# KiCad board panel.opm-inline.kicad_pcb (continued)
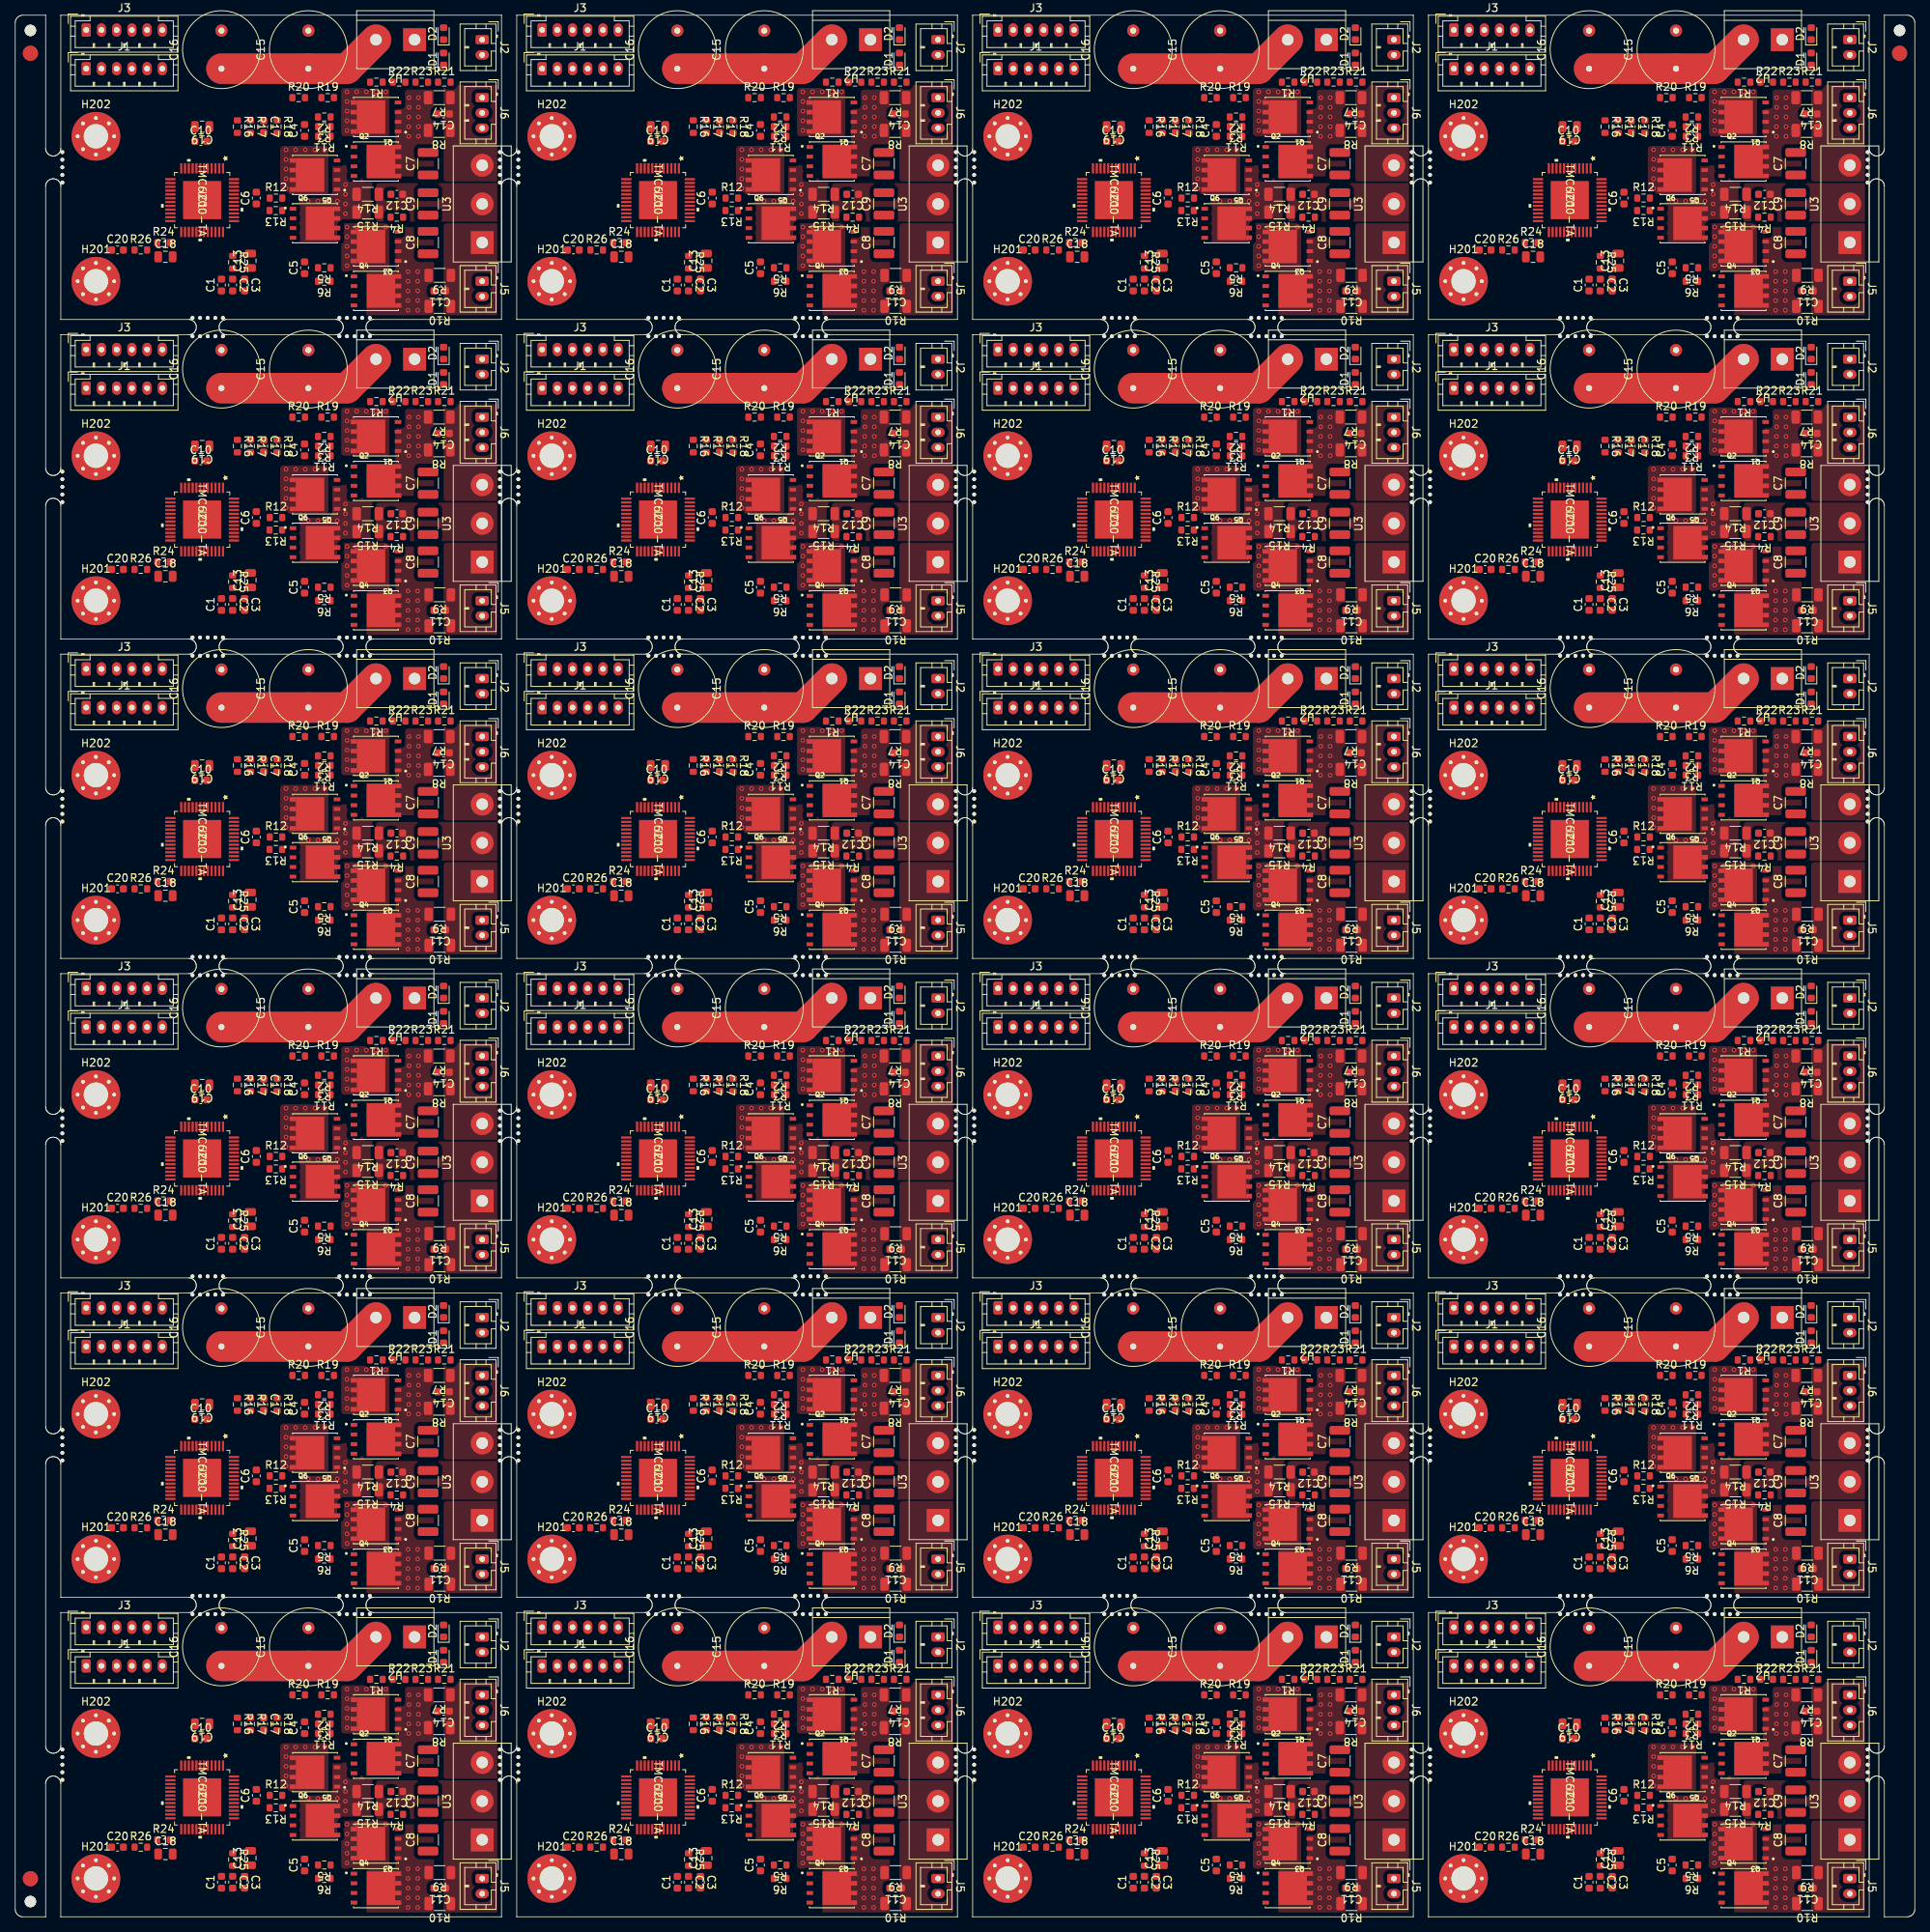
[diagram p0: board, top side]
## Copper pours and planes (outline as drawn; the poured copper is in the pictures) (continued)
Board_9-Net-(C6-Pad1) on Top: 108.66,136.09 97.23,136.09 97.23,146.25 108.66,146.25
Board_9-Net-(C6-Pad1) on Bottom: 108.66,136.09 97.23,136.09 97.23,146.25 108.66,146.25
Board_9-Net-(R2-Pad1) on Bottom: 115.01,144.98 106.12,144.98 106.12,148.79 109.93,148.79 109.93,153.87 111.2,153.87 111.2,156.41 115.01,156.41
Board_9-Net-(R12-Pad1) on Bottom: 104.08,143.71 105.35,143.71 105.35,138.63 104.08,138.63 104.08,136.09 98.5,136.09 98.5,141.17 101.54,141.17 101.54,146.25 104.08,146.25
Board_10-/+VM on Top: 169.11,150.06 162.76,150.06 162.76,156.41 169.11,156.41
Board_10-/+VM on Top: 161.09,142.44 154.74,142.44 154.74,148.79 161.09,148.79
Board_10-/+VM on Top: 169.11,132.28 162.76,132.28 162.76,138.63 169.11,138.63
Board_10-/+VM on Bottom: 183.18,126.33 126.03,126.33 126.03,165.7 183.18,165.7
Board_10-/+VM on Bottom: 169.11,150.06 162.76,150.06 162.76,156.41 169.11,156.41
Board_10-/+VM on Bottom: 161.09,142.44 154.74,142.44 154.74,148.79 161.09,148.79
Board_10-/+VM on Bottom: 169.11,132.28 162.76,132.28 162.76,138.63 169.11,138.63
Board_10-/U on Top: 183.85,144.11 176.23,144.11 176.23,156.81 183.85,156.81
Board_10-/U on Bottom: 183.85,144.11 176.23,144.11 176.23,156.81 183.85,156.81
Board_10-/V on Top: 183.85,138.83 167.34,138.83 167.34,143.91 183.85,143.91
Board_10-/V on Bottom: 183.85,138.83 167.34,138.83 167.34,143.91 183.85,143.91
Board_10-/W on Top: 183.85,125.93 176.23,125.93 176.23,138.63 183.85,138.63
Board_10-/W on Bottom: 183.85,125.93 176.23,125.93 176.23,138.63 183.85,138.63
Board_10-Net-(C4-Pad1) on Top: 174.96,144.78 166.07,144.78 166.07,148.59 169.88,148.59 169.88,153.67 171.15,153.67 171.15,156.21 174.96,156.21
Board_10-Net-(C4-Pad1) on Bottom: 174.96,144.78 166.07,144.78 166.07,148.59 169.88,148.59 169.88,153.67 171.15,153.67 171.15,156.21 174.96,156.21
Board_10-Net-(C5-Pad2) on Top: 174.99,125.93 166.1,125.93 166.1,132.28 169.91,132.28 169.88,138.13 174.96,138.13
Board_10-Net-(C5-Pad2) on Bottom: 174.99,125.93 166.1,125.93 166.1,131.01 169.91,131.01 169.88,138.13 174.96,138.13
Board_10-Net-(C6-Pad1) on Top: 168.61,136.09 157.18,136.09 157.18,146.25 168.61,146.25
Board_10-Net-(C6-Pad1) on Bottom: 168.61,136.09 157.18,136.09 157.18,146.25 168.61,146.25
Board_10-Net-(R2-Pad1) on Bottom: 174.96,144.98 166.07,144.98 166.07,148.79 169.88,148.79 169.88,153.87 171.15,153.87 171.15,156.41 174.96,156.41
Board_10-Net-(R12-Pad1) on Bottom: 164.03,143.71 165.3,143.71 165.3,138.63 164.03,138.63 164.03,136.09 158.45,136.09 158.45,141.17 161.49,141.17 161.49,146.25 164.03,146.25
Board_11-/+VM on Top: 229.06,150.06 222.71,150.06 222.71,156.41 229.06,156.41
Board_11-/+VM on Top: 221.04,142.44 214.69,142.44 214.69,148.79 221.04,148.79
Board_11-/+VM on Top: 229.06,132.28 222.71,132.28 222.71,138.63 229.06,138.63
Board_11-/+VM on Bottom: 243.13,126.33 185.98,126.33 185.98,165.7 243.13,165.7
Board_11-/+VM on Bottom: 229.06,150.06 222.71,150.06 222.71,156.41 229.06,156.41
Board_11-/+VM on Bottom: 221.04,142.44 214.69,142.44 214.69,148.79 221.04,148.79
Board_11-/+VM on Bottom: 229.06,132.28 222.71,132.28 222.71,138.63 229.06,138.63
Board_11-/U on Top: 243.8,144.11 236.18,144.11 236.18,156.81 243.8,156.81
Board_11-/U on Bottom: 243.8,144.11 236.18,144.11 236.18,156.81 243.8,156.81
Board_11-/V on Top: 243.8,138.83 227.29,138.83 227.29,143.91 243.8,143.91
Board_11-/V on Bottom: 243.8,138.83 227.29,138.83 227.29,143.91 243.8,143.91
Board_11-/W on Top: 243.8,125.93 236.18,125.93 236.18,138.63 243.8,138.63
Board_11-/W on Bottom: 243.8,125.93 236.18,125.93 236.18,138.63 243.8,138.63
Board_11-Net-(C4-Pad1) on Top: 234.91,144.78 226.02,144.78 226.02,148.59 229.83,148.59 229.83,153.67 231.1,153.67 231.1,156.21 234.91,156.21
Board_11-Net-(C4-Pad1) on Bottom: 234.91,144.78 226.02,144.78 226.02,148.59 229.83,148.59 229.83,153.67 231.1,153.67 231.1,156.21 234.91,156.21
Board_11-Net-(C5-Pad2) on Top: 234.94,125.93 226.05,125.93 226.05,132.28 229.86,132.28 229.83,138.13 234.91,138.13
Board_11-Net-(C5-Pad2) on Bottom: 234.94,125.93 226.05,125.93 226.05,131.01 229.86,131.01 229.83,138.13 234.91,138.13
Board_11-Net-(C6-Pad1) on Top: 228.56,136.09 217.13,136.09 217.13,146.25 228.56,146.25
Board_11-Net-(C6-Pad1) on Bottom: 228.56,136.09 217.13,136.09 217.13,146.25 228.56,146.25
Board_11-Net-(R2-Pad1) on Bottom: 234.91,144.98 226.02,144.98 226.02,148.79 229.83,148.79 229.83,153.87 231.1,153.87 231.1,156.41 234.91,156.41
Board_11-Net-(R12-Pad1) on Bottom: 223.98,143.71 225.25,143.71 225.25,138.63 223.98,138.63 223.98,136.09 218.4,136.09 218.4,141.17 221.44,141.17 221.44,146.25 223.98,146.25
Board_12-/+VM on Top: 49.21,108.07 42.86,108.07 42.86,114.42 49.21,114.42
Board_12-/+VM on Top: 41.19,100.45 34.84,100.45 34.84,106.8 41.19,106.8
Board_12-/+VM on Top: 49.21,90.29 42.86,90.29 42.86,96.64 49.21,96.64
Board_12-/+VM on Bottom: 63.28,84.34 6.13,84.34 6.13,123.71 63.28,123.71
Board_12-/+VM on Bottom: 49.21,108.07 42.86,108.07 42.86,114.42 49.21,114.42
Board_12-/+VM on Bottom: 41.19,100.45 34.84,100.45 34.84,106.8 41.19,106.8
Board_12-/+VM on Bottom: 49.21,90.29 42.86,90.29 42.86,96.64 49.21,96.64
Board_12-/U on Top: 63.95,102.12 56.33,102.12 56.33,114.82 63.95,114.82
Board_12-/U on Bottom: 63.95,102.12 56.33,102.12 56.33,114.82 63.95,114.82
Board_12-/V on Top: 63.95,96.84 47.44,96.84 47.44,101.92 63.95,101.92
Board_12-/V on Bottom: 63.95,96.84 47.44,96.84 47.44,101.92 63.95,101.92
Board_12-/W on Top: 63.95,83.94 56.33,83.94 56.33,96.64 63.95,96.64
Board_12-/W on Bottom: 63.95,83.94 56.33,83.94 56.33,96.64 63.95,96.64
Board_12-Net-(C4-Pad1) on Top: 55.06,102.79 46.17,102.79 46.17,106.6 49.98,106.6 49.98,111.68 51.25,111.68 51.25,114.22 55.06,114.22
Board_12-Net-(C4-Pad1) on Bottom: 55.06,102.79 46.17,102.79 46.17,106.6 49.98,106.6 49.98,111.68 51.25,111.68 51.25,114.22 55.06,114.22
Board_12-Net-(C5-Pad2) on Top: 55.09,83.94 46.2,83.94 46.2,90.29 50.01,90.29 49.98,96.14 55.06,96.14
Board_12-Net-(C5-Pad2) on Bottom: 55.09,83.94 46.2,83.94 46.2,89.02 50.01,89.02 49.98,96.14 55.06,96.14
Board_12-Net-(C6-Pad1) on Top: 48.71,94.1 37.28,94.1 37.28,104.26 48.71,104.26
Board_12-Net-(C6-Pad1) on Bottom: 48.71,94.1 37.28,94.1 37.28,104.26 48.71,104.26
Board_12-Net-(R2-Pad1) on Bottom: 55.06,102.99 46.17,102.99 46.17,106.8 49.98,106.8 49.98,111.88 51.25,111.88 51.25,114.42 55.06,114.42
Board_12-Net-(R12-Pad1) on Bottom: 44.13,101.72 45.4,101.72 45.4,96.64 44.13,96.64 44.13,94.1 38.55,94.1 38.55,99.18 41.59,99.18 41.59,104.26 44.13,104.26
Board_13-/+VM on Top: 109.16,108.07 102.81,108.07 102.81,114.42 109.16,114.42
Board_13-/+VM on Top: 101.14,100.45 94.79,100.45 94.79,106.8 101.14,106.8
Board_13-/+VM on Top: 109.16,90.29 102.81,90.29 102.81,96.64 109.16,96.64
Board_13-/+VM on Bottom: 123.23,84.34 66.08,84.34 66.08,123.71 123.23,123.71
Board_13-/+VM on Bottom: 109.16,108.07 102.81,108.07 102.81,114.42 109.16,114.42
Board_13-/+VM on Bottom: 101.14,100.45 94.79,100.45 94.79,106.8 101.14,106.8
Board_13-/+VM on Bottom: 109.16,90.29 102.81,90.29 102.81,96.64 109.16,96.64
Board_13-/U on Top: 123.9,102.12 116.28,102.12 116.28,114.82 123.9,114.82
Board_13-/U on Bottom: 123.9,102.12 116.28,102.12 116.28,114.82 123.9,114.82
Board_13-/V on Top: 123.9,96.84 107.39,96.84 107.39,101.92 123.9,101.92
Board_13-/V on Bottom: 123.9,96.84 107.39,96.84 107.39,101.92 123.9,101.92
Board_13-/W on Top: 123.9,83.94 116.28,83.94 116.28,96.64 123.9,96.64
Board_13-/W on Bottom: 123.9,83.94 116.28,83.94 116.28,96.64 123.9,96.64
Board_13-Net-(C4-Pad1) on Top: 115.01,102.79 106.12,102.79 106.12,106.6 109.93,106.6 109.93,111.68 111.2,111.68 111.2,114.22 115.01,114.22
Board_13-Net-(C4-Pad1) on Bottom: 115.01,102.79 106.12,102.79 106.12,106.6 109.93,106.6 109.93,111.68 111.2,111.68 111.2,114.22 115.01,114.22
Board_13-Net-(C5-Pad2) on Top: 115.04,83.94 106.15,83.94 106.15,90.29 109.96,90.29 109.93,96.14 115.01,96.14
Board_13-Net-(C5-Pad2) on Bottom: 115.04,83.94 106.15,83.94 106.15,89.02 109.96,89.02 109.93,96.14 115.01,96.14
Board_13-Net-(C6-Pad1) on Top: 108.66,94.1 97.23,94.1 97.23,104.26 108.66,104.26
Board_13-Net-(C6-Pad1) on Bottom: 108.66,94.1 97.23,94.1 97.23,104.26 108.66,104.26
Board_13-Net-(R2-Pad1) on Bottom: 115.01,102.99 106.12,102.99 106.12,106.8 109.93,106.8 109.93,111.88 111.2,111.88 111.2,114.42 115.01,114.42
Board_13-Net-(R12-Pad1) on Bottom: 104.08,101.72 105.35,101.72 105.35,96.64 104.08,96.64 104.08,94.1 98.5,94.1 98.5,99.18 101.54,99.18 101.54,104.26 104.08,104.26
Board_14-/+VM on Top: 169.11,108.07 162.76,108.07 162.76,114.42 169.11,114.42
Board_14-/+VM on Top: 161.09,100.45 154.74,100.45 154.74,106.8 161.09,106.8
Board_14-/+VM on Top: 169.11,90.29 162.76,90.29 162.76,96.64 169.11,96.64
Board_14-/+VM on Bottom: 183.18,84.34 126.03,84.34 126.03,123.71 183.18,123.71
Board_14-/+VM on Bottom: 169.11,108.07 162.76,108.07 162.76,114.42 169.11,114.42
Board_14-/+VM on Bottom: 161.09,100.45 154.74,100.45 154.74,106.8 161.09,106.8
Board_14-/+VM on Bottom: 169.11,90.29 162.76,90.29 162.76,96.64 169.11,96.64
Board_14-/U on Top: 183.85,102.12 176.23,102.12 176.23,114.82 183.85,114.82
Board_14-/U on Bottom: 183.85,102.12 176.23,102.12 176.23,114.82 183.85,114.82
Board_14-/V on Top: 183.85,96.84 167.34,96.84 167.34,101.92 183.85,101.92
Board_14-/V on Bottom: 183.85,96.84 167.34,96.84 167.34,101.92 183.85,101.92
Board_14-/W on Top: 183.85,83.94 176.23,83.94 176.23,96.64 183.85,96.64
Board_14-/W on Bottom: 183.85,83.94 176.23,83.94 176.23,96.64 183.85,96.64
Board_14-Net-(C4-Pad1) on Top: 174.96,102.79 166.07,102.79 166.07,106.6 169.88,106.6 169.88,111.68 171.15,111.68 171.15,114.22 174.96,114.22
Board_14-Net-(C4-Pad1) on Bottom: 174.96,102.79 166.07,102.79 166.07,106.6 169.88,106.6 169.88,111.68 171.15,111.68 171.15,114.22 174.96,114.22
Board_14-Net-(C5-Pad2) on Top: 174.99,83.94 166.1,83.94 166.1,90.29 169.91,90.29 169.88,96.14 174.96,96.14
Board_14-Net-(C5-Pad2) on Bottom: 174.99,83.94 166.1,83.94 166.1,89.02 169.91,89.02 169.88,96.14 174.96,96.14
Board_14-Net-(C6-Pad1) on Top: 168.61,94.1 157.18,94.1 157.18,104.26 168.61,104.26
Board_14-Net-(C6-Pad1) on Bottom: 168.61,94.1 157.18,94.1 157.18,104.26 168.61,104.26
Board_14-Net-(R2-Pad1) on Bottom: 174.96,102.99 166.07,102.99 166.07,106.8 169.88,106.8 169.88,111.88 171.15,111.88 171.15,114.42 174.96,114.42
Board_14-Net-(R12-Pad1) on Bottom: 164.03,101.72 165.3,101.72 165.3,96.64 164.03,96.64 164.03,94.1 158.45,94.1 158.45,99.18 161.49,99.18 161.49,104.26 164.03,104.26
Board_15-/+VM on Top: 229.06,108.07 222.71,108.07 222.71,114.42 229.06,114.42
Board_15-/+VM on Top: 221.04,100.45 214.69,100.45 214.69,106.8 221.04,106.8
Board_15-/+VM on Top: 229.06,90.29 222.71,90.29 222.71,96.64 229.06,96.64
Board_15-/+VM on Bottom: 243.13,84.34 185.98,84.34 185.98,123.71 243.13,123.71
Board_15-/+VM on Bottom: 229.06,108.07 222.71,108.07 222.71,114.42 229.06,114.42
Board_15-/+VM on Bottom: 221.04,100.45 214.69,100.45 214.69,106.8 221.04,106.8
Board_15-/+VM on Bottom: 229.06,90.29 222.71,90.29 222.71,96.64 229.06,96.64
Board_15-/U on Top: 243.8,102.12 236.18,102.12 236.18,114.82 243.8,114.82
Board_15-/U on Bottom: 243.8,102.12 236.18,102.12 236.18,114.82 243.8,114.82
Board_15-/V on Top: 243.8,96.84 227.29,96.84 227.29,101.92 243.8,101.92
Board_15-/V on Bottom: 243.8,96.84 227.29,96.84 227.29,101.92 243.8,101.92
Board_15-/W on Top: 243.8,83.94 236.18,83.94 236.18,96.64 243.8,96.64
Board_15-/W on Bottom: 243.8,83.94 236.18,83.94 236.18,96.64 243.8,96.64
Board_15-Net-(C4-Pad1) on Top: 234.91,102.79 226.02,102.79 226.02,106.6 229.83,106.6 229.83,111.68 231.1,111.68 231.1,114.22 234.91,114.22
Board_15-Net-(C4-Pad1) on Bottom: 234.91,102.79 226.02,102.79 226.02,106.6 229.83,106.6 229.83,111.68 231.1,111.68 231.1,114.22 234.91,114.22
Board_15-Net-(C5-Pad2) on Top: 234.94,83.94 226.05,83.94 226.05,90.29 229.86,90.29 229.83,96.14 234.91,96.14
Board_15-Net-(C5-Pad2) on Bottom: 234.94,83.94 226.05,83.94 226.05,89.02 229.86,89.02 229.83,96.14 234.91,96.14
Board_15-Net-(C6-Pad1) on Top: 228.56,94.1 217.13,94.1 217.13,104.26 228.56,104.26
Board_15-Net-(C6-Pad1) on Bottom: 228.56,94.1 217.13,94.1 217.13,104.26 228.56,104.26
Board_15-Net-(R2-Pad1) on Bottom: 234.91,102.99 226.02,102.99 226.02,106.8 229.83,106.8 229.83,111.88 231.1,111.88 231.1,114.42 234.91,114.42
Board_15-Net-(R12-Pad1) on Bottom: 223.98,101.72 225.25,101.72 225.25,96.64 223.98,96.64 223.98,94.1 218.4,94.1 218.4,99.18 221.44,99.18 221.44,104.26 223.98,104.26
Board_16-/+VM on Top: 49.21,66.08 42.86,66.08 42.86,72.43 49.21,72.43
Board_16-/+VM on Top: 41.19,58.46 34.84,58.46 34.84,64.81 41.19,64.81
Board_16-/+VM on Top: 49.21,48.3 42.86,48.3 42.86,54.65 49.21,54.65
Board_16-/+VM on Bottom: 63.28,42.35 6.13,42.35 6.13,81.72 63.28,81.72
Board_16-/+VM on Bottom: 49.21,66.08 42.86,66.08 42.86,72.43 49.21,72.43
Board_16-/+VM on Bottom: 41.19,58.46 34.84,58.46 34.84,64.81 41.19,64.81
Board_16-/+VM on Bottom: 49.21,48.3 42.86,48.3 42.86,54.65 49.21,54.65
Board_16-/U on Top: 63.95,60.13 56.33,60.13 56.33,72.83 63.95,72.83
Board_16-/U on Bottom: 63.95,60.13 56.33,60.13 56.33,72.83 63.95,72.83
Board_16-/V on Top: 63.95,54.85 47.44,54.85 47.44,59.93 63.95,59.93
Board_16-/V on Bottom: 63.95,54.85 47.44,54.85 47.44,59.93 63.95,59.93
Board_16-/W on Top: 63.95,41.95 56.33,41.95 56.33,54.65 63.95,54.65
Board_16-/W on Bottom: 63.95,41.95 56.33,41.95 56.33,54.65 63.95,54.65
Board_16-Net-(C4-Pad1) on Top: 55.06,60.8 46.17,60.8 46.17,64.61 49.98,64.61 49.98,69.69 51.25,69.69 51.25,72.23 55.06,72.23
Board_16-Net-(C4-Pad1) on Bottom: 55.06,60.8 46.17,60.8 46.17,64.61 49.98,64.61 49.98,69.69 51.25,69.69 51.25,72.23 55.06,72.23
Board_16-Net-(C5-Pad2) on Top: 55.09,41.95 46.2,41.95 46.2,48.3 50.01,48.3 49.98,54.15 55.06,54.15
Board_16-Net-(C5-Pad2) on Bottom: 55.09,41.95 46.2,41.95 46.2,47.03 50.01,47.03 49.98,54.15 55.06,54.15
Board_16-Net-(C6-Pad1) on Top: 48.71,52.11 37.28,52.11 37.28,62.27 48.71,62.27
Board_16-Net-(C6-Pad1) on Bottom: 48.71,52.11 37.28,52.11 37.28,62.27 48.71,62.27
Board_16-Net-(R2-Pad1) on Bottom: 55.06,61 46.17,61 46.17,64.81 49.98,64.81 49.98,69.89 51.25,69.89 51.25,72.43 55.06,72.43
Board_16-Net-(R12-Pad1) on Bottom: 44.13,59.73 45.4,59.73 45.4,54.65 44.13,54.65 44.13,52.11 38.55,52.11 38.55,57.19 41.59,57.19 41.59,62.27 44.13,62.27
Board_17-/+VM on Top: 109.16,66.08 102.81,66.08 102.81,72.43 109.16,72.43
Board_17-/+VM on Top: 101.14,58.46 94.79,58.46 94.79,64.81 101.14,64.81
Board_17-/+VM on Top: 109.16,48.3 102.81,48.3 102.81,54.65 109.16,54.65
Board_17-/+VM on Bottom: 123.23,42.35 66.08,42.35 66.08,81.72 123.23,81.72
Board_17-/+VM on Bottom: 109.16,66.08 102.81,66.08 102.81,72.43 109.16,72.43
Board_17-/+VM on Bottom: 101.14,58.46 94.79,58.46 94.79,64.81 101.14,64.81
Board_17-/+VM on Bottom: 109.16,48.3 102.81,48.3 102.81,54.65 109.16,54.65
Board_17-/U on Top: 123.9,60.13 116.28,60.13 116.28,72.83 123.9,72.83
Board_17-/U on Bottom: 123.9,60.13 116.28,60.13 116.28,72.83 123.9,72.83
Board_17-/V on Top: 123.9,54.85 107.39,54.85 107.39,59.93 123.9,59.93
Board_17-/V on Bottom: 123.9,54.85 107.39,54.85 107.39,59.93 123.9,59.93
Board_17-/W on Top: 123.9,41.95 116.28,41.95 116.28,54.65 123.9,54.65
Board_17-/W on Bottom: 123.9,41.95 116.28,41.95 116.28,54.65 123.9,54.65
Board_17-Net-(C4-Pad1) on Top: 115.01,60.8 106.12,60.8 106.12,64.61 109.93,64.61 109.93,69.69 111.2,69.69 111.2,72.23 115.01,72.23
Board_17-Net-(C4-Pad1) on Bottom: 115.01,60.8 106.12,60.8 106.12,64.61 109.93,64.61 109.93,69.69 111.2,69.69 111.2,72.23 115.01,72.23
Board_17-Net-(C5-Pad2) on Top: 115.04,41.95 106.15,41.95 106.15,48.3 109.96,48.3 109.93,54.15 115.01,54.15
Board_17-Net-(C5-Pad2) on Bottom: 115.04,41.95 106.15,41.95 106.15,47.03 109.96,47.03 109.93,54.15 115.01,54.15
Board_17-Net-(C6-Pad1) on Top: 108.66,52.11 97.23,52.11 97.23,62.27 108.66,62.27
Board_17-Net-(C6-Pad1) on Bottom: 108.66,52.11 97.23,52.11 97.23,62.27 108.66,62.27
Board_17-Net-(R2-Pad1) on Bottom: 115.01,61 106.12,61 106.12,64.81 109.93,64.81 109.93,69.89 111.2,69.89 111.2,72.43 115.01,72.43
Board_17-Net-(R12-Pad1) on Bottom: 104.08,59.73 105.35,59.73 105.35,54.65 104.08,54.65 104.08,52.11 98.5,52.11 98.5,57.19 101.54,57.19 101.54,62.27 104.08,62.27
Board_18-/+VM on Top: 169.11,66.08 162.76,66.08 162.76,72.43 169.11,72.43
Board_18-/+VM on Top: 161.09,58.46 154.74,58.46 154.74,64.81 161.09,64.81
Board_18-/+VM on Top: 169.11,48.3 162.76,48.3 162.76,54.65 169.11,54.65
Board_18-/+VM on Bottom: 183.18,42.35 126.03,42.35 126.03,81.72 183.18,81.72
Board_18-/+VM on Bottom: 169.11,66.08 162.76,66.08 162.76,72.43 169.11,72.43
Board_18-/+VM on Bottom: 161.09,58.46 154.74,58.46 154.74,64.81 161.09,64.81
Board_18-/+VM on Bottom: 169.11,48.3 162.76,48.3 162.76,54.65 169.11,54.65
Board_18-/U on Top: 183.85,60.13 176.23,60.13 176.23,72.83 183.85,72.83
Board_18-/U on Bottom: 183.85,60.13 176.23,60.13 176.23,72.83 183.85,72.83
Board_18-/V on Top: 183.85,54.85 167.34,54.85 167.34,59.93 183.85,59.93
Board_18-/V on Bottom: 183.85,54.85 167.34,54.85 167.34,59.93 183.85,59.93
Board_18-/W on Top: 183.85,41.95 176.23,41.95 176.23,54.65 183.85,54.65
Board_18-/W on Bottom: 183.85,41.95 176.23,41.95 176.23,54.65 183.85,54.65
Board_18-Net-(C4-Pad1) on Top: 174.96,60.8 166.07,60.8 166.07,64.61 169.88,64.61 169.88,69.69 171.15,69.69 171.15,72.23 174.96,72.23
Board_18-Net-(C4-Pad1) on Bottom: 174.96,60.8 166.07,60.8 166.07,64.61 169.88,64.61 169.88,69.69 171.15,69.69 171.15,72.23 174.96,72.23
Board_18-Net-(C5-Pad2) on Top: 174.99,41.95 166.1,41.95 166.1,48.3 169.91,48.3 169.88,54.15 174.96,54.15
Board_18-Net-(C5-Pad2) on Bottom: 174.99,41.95 166.1,41.95 166.1,47.03 169.91,47.03 169.88,54.15 174.96,54.15
Board_18-Net-(C6-Pad1) on Top: 168.61,52.11 157.18,52.11 157.18,62.27 168.61,62.27
Board_18-Net-(C6-Pad1) on Bottom: 168.61,52.11 157.18,52.11 157.18,62.27 168.61,62.27
Board_18-Net-(R2-Pad1) on Bottom: 174.96,61 166.07,61 166.07,64.81 169.88,64.81 169.88,69.89 171.15,69.89 171.15,72.43 174.96,72.43
Board_18-Net-(R12-Pad1) on Bottom: 164.03,59.73 165.3,59.73 165.3,54.65 164.03,54.65 164.03,52.11 158.45,52.11 158.45,57.19 161.49,57.19 161.49,62.27 164.03,62.27
Board_19-/+VM on Top: 229.06,66.08 222.71,66.08 222.71,72.43 229.06,72.43
Board_19-/+VM on Top: 221.04,58.46 214.69,58.46 214.69,64.81 221.04,64.81
Board_19-/+VM on Top: 229.06,48.3 222.71,48.3 222.71,54.65 229.06,54.65
Board_19-/+VM on Bottom: 243.13,42.35 185.98,42.35 185.98,81.72 243.13,81.72
Board_19-/+VM on Bottom: 229.06,66.08 222.71,66.08 222.71,72.43 229.06,72.43
Board_19-/+VM on Bottom: 221.04,58.46 214.69,58.46 214.69,64.81 221.04,64.81
Board_19-/+VM on Bottom: 229.06,48.3 222.71,48.3 222.71,54.65 229.06,54.65
Board_19-/U on Top: 243.8,60.13 236.18,60.13 236.18,72.83 243.8,72.83
Board_19-/U on Bottom: 243.8,60.13 236.18,60.13 236.18,72.83 243.8,72.83
Board_19-/V on Top: 243.8,54.85 227.29,54.85 227.29,59.93 243.8,59.93
Board_19-/V on Bottom: 243.8,54.85 227.29,54.85 227.29,59.93 243.8,59.93
Board_19-/W on Top: 243.8,41.95 236.18,41.95 236.18,54.65 243.8,54.65
Board_19-/W on Bottom: 243.8,41.95 236.18,41.95 236.18,54.65 243.8,54.65
Board_19-Net-(C4-Pad1) on Top: 234.91,60.8 226.02,60.8 226.02,64.61 229.83,64.61 229.83,69.69 231.1,69.69 231.1,72.23 234.91,72.23
Board_19-Net-(C4-Pad1) on Bottom: 234.91,60.8 226.02,60.8 226.02,64.61 229.83,64.61 229.83,69.69 231.1,69.69 231.1,72.23 234.91,72.23
Board_19-Net-(C5-Pad2) on Top: 234.94,41.95 226.05,41.95 226.05,48.3 229.86,48.3 229.83,54.15 234.91,54.15
Board_19-Net-(C5-Pad2) on Bottom: 234.94,41.95 226.05,41.95 226.05,47.03 229.86,47.03 229.83,54.15 234.91,54.15
Board_19-Net-(C6-Pad1) on Top: 228.56,52.11 217.13,52.11 217.13,62.27 228.56,62.27
Board_19-Net-(C6-Pad1) on Bottom: 228.56,52.11 217.13,52.11 217.13,62.27 228.56,62.27
Board_19-Net-(R2-Pad1) on Bottom: 234.91,61 226.02,61 226.02,64.81 229.83,64.81 229.83,69.89 231.1,69.89 231.1,72.43 234.91,72.43
Board_19-Net-(R12-Pad1) on Bottom: 223.98,59.73 225.25,59.73 225.25,54.65 223.98,54.65 223.98,52.11 218.4,52.11 218.4,57.19 221.44,57.19 221.44,62.27 223.98,62.27
Board_20-/+VM on Top: 49.21,24.09 42.86,24.09 42.86,30.44 49.21,30.44
Board_20-/+VM on Top: 41.19,16.47 34.84,16.47 34.84,22.82 41.19,22.82
Board_20-/+VM on Top: 49.21,6.31 42.86,6.31 42.86,12.66 49.21,12.66
Board_20-/+VM on Bottom: 63.28,0.36 6.13,0.36 6.13,39.73 63.28,39.73
Board_20-/+VM on Bottom: 49.21,24.09 42.86,24.09 42.86,30.44 49.21,30.44
Board_20-/+VM on Bottom: 41.19,16.47 34.84,16.47 34.84,22.82 41.19,22.82
Board_20-/+VM on Bottom: 49.21,6.31 42.86,6.31 42.86,12.66 49.21,12.66
Board_20-/U on Top: 63.95,18.14 56.33,18.14 56.33,30.84 63.95,30.84
Board_20-/U on Bottom: 63.95,18.14 56.33,18.14 56.33,30.84 63.95,30.84
Board_20-/V on Top: 63.95,12.86 47.44,12.86 47.44,17.94 63.95,17.94
Board_20-/V on Bottom: 63.95,12.86 47.44,12.86 47.44,17.94 63.95,17.94
Board_20-/W on Top: 63.95,-0.04 56.33,-0.04 56.33,12.66 63.95,12.66
Board_20-/W on Bottom: 63.95,-0.04 56.33,-0.04 56.33,12.66 63.95,12.66
Board_20-Net-(C4-Pad1) on Top: 55.06,18.81 46.17,18.81 46.17,22.62 49.98,22.62 49.98,27.7 51.25,27.7 51.25,30.24 55.06,30.24
Board_20-Net-(C4-Pad1) on Bottom: 55.06,18.81 46.17,18.81 46.17,22.62 49.98,22.62 49.98,27.7 51.25,27.7 51.25,30.24 55.06,30.24
Board_20-Net-(C5-Pad2) on Top: 55.09,-0.04 46.2,-0.04 46.2,6.31 50.01,6.31 49.98,12.16 55.06,12.16
Board_20-Net-(C5-Pad2) on Bottom: 55.09,-0.04 46.2,-0.04 46.2,5.04 50.01,5.04 49.98,12.16 55.06,12.16
Board_20-Net-(C6-Pad1) on Top: 48.71,10.12 37.28,10.12 37.28,20.28 48.71,20.28
Board_20-Net-(C6-Pad1) on Bottom: 48.71,10.12 37.28,10.12 37.28,20.28 48.71,20.28
Board_20-Net-(R2-Pad1) on Bottom: 55.06,19.01 46.17,19.01 46.17,22.82 49.98,22.82 49.98,27.9 51.25,27.9 51.25,30.44 55.06,30.44
Board_20-Net-(R12-Pad1) on Bottom: 44.13,17.74 45.4,17.74 45.4,12.66 44.13,12.66 44.13,10.12 38.55,10.12 38.55,15.2 41.59,15.2 41.59,20.28 44.13,20.28
Board_21-/+VM on Top: 109.16,24.09 102.81,24.09 102.81,30.44 109.16,30.44
Board_21-/+VM on Top: 101.14,16.47 94.79,16.47 94.79,22.82 101.14,22.82
Board_21-/+VM on Top: 109.16,6.31 102.81,6.31 102.81,12.66 109.16,12.66
Board_21-/+VM on Bottom: 123.23,0.36 66.08,0.36 66.08,39.73 123.23,39.73
Board_21-/+VM on Bottom: 109.16,24.09 102.81,24.09 102.81,30.44 109.16,30.44
Board_21-/+VM on Bottom: 101.14,16.47 94.79,16.47 94.79,22.82 101.14,22.82
Board_21-/+VM on Bottom: 109.16,6.31 102.81,6.31 102.81,12.66 109.16,12.66
Board_21-/U on Top: 123.9,18.14 116.28,18.14 116.28,30.84 123.9,30.84
Board_21-/U on Bottom: 123.9,18.14 116.28,18.14 116.28,30.84 123.9,30.84
Board_21-/V on Top: 123.9,12.86 107.39,12.86 107.39,17.94 123.9,17.94
Board_21-/V on Bottom: 123.9,12.86 107.39,12.86 107.39,17.94 123.9,17.94
Board_21-/W on Top: 123.9,-0.04 116.28,-0.04 116.28,12.66 123.9,12.66
Board_21-/W on Bottom: 123.9,-0.04 116.28,-0.04 116.28,12.66 123.9,12.66
Board_21-Net-(C4-Pad1) on Top: 115.01,18.81 106.12,18.81 106.12,22.62 109.93,22.62 109.93,27.7 111.2,27.7 111.2,30.24 115.01,30.24
Board_21-Net-(C4-Pad1) on Bottom: 115.01,18.81 106.12,18.81 106.12,22.62 109.93,22.62 109.93,27.7 111.2,27.7 111.2,30.24 115.01,30.24
Board_21-Net-(C5-Pad2) on Top: 115.04,-0.04 106.15,-0.04 106.15,6.31 109.96,6.31 109.93,12.16 115.01,12.16
Board_21-Net-(C5-Pad2) on Bottom: 115.04,-0.04 106.15,-0.04 106.15,5.04 109.96,5.04 109.93,12.16 115.01,12.16
Board_21-Net-(C6-Pad1) on Top: 108.66,10.12 97.23,10.12 97.23,20.28 108.66,20.28
Board_21-Net-(C6-Pad1) on Bottom: 108.66,10.12 97.23,10.12 97.23,20.28 108.66,20.28
Board_21-Net-(R2-Pad1) on Bottom: 115.01,19.01 106.12,19.01 106.12,22.82 109.93,22.82 109.93,27.9 111.2,27.9 111.2,30.44 115.01,30.44
Board_21-Net-(R12-Pad1) on Bottom: 104.08,17.74 105.35,17.74 105.35,12.66 104.08,12.66 104.08,10.12 98.5,10.12 98.5,15.2 101.54,15.2 101.54,20.28 104.08,20.28
Board_22-/+VM on Top: 169.11,24.09 162.76,24.09 162.76,30.44 169.11,30.44
Board_22-/+VM on Top: 161.09,16.47 154.74,16.47 154.74,22.82 161.09,22.82
Board_22-/+VM on Top: 169.11,6.31 162.76,6.31 162.76,12.66 169.11,12.66
Board_22-/+VM on Bottom: 183.18,0.36 126.03,0.36 126.03,39.73 183.18,39.73
Board_22-/+VM on Bottom: 169.11,24.09 162.76,24.09 162.76,30.44 169.11,30.44
Board_22-/+VM on Bottom: 161.09,16.47 154.74,16.47 154.74,22.82 161.09,22.82
Board_22-/+VM on Bottom: 169.11,6.31 162.76,6.31 162.76,12.66 169.11,12.66
Board_22-/U on Top: 183.85,18.14 176.23,18.14 176.23,30.84 183.85,30.84
Board_22-/U on Bottom: 183.85,18.14 176.23,18.14 176.23,30.84 183.85,30.84
Board_22-/V on Top: 183.85,12.86 167.34,12.86 167.34,17.94 183.85,17.94
Board_22-/V on Bottom: 183.85,12.86 167.34,12.86 167.34,17.94 183.85,17.94
Board_22-/W on Top: 183.85,-0.04 176.23,-0.04 176.23,12.66 183.85,12.66
Board_22-/W on Bottom: 183.85,-0.04 176.23,-0.04 176.23,12.66 183.85,12.66
Board_22-Net-(C4-Pad1) on Top: 174.96,18.81 166.07,18.81 166.07,22.62 169.88,22.62 169.88,27.7 171.15,27.7 171.15,30.24 174.96,30.24
Board_22-Net-(C4-Pad1) on Bottom: 174.96,18.81 166.07,18.81 166.07,22.62 169.88,22.62 169.88,27.7 171.15,27.7 171.15,30.24 174.96,30.24
Board_22-Net-(C5-Pad2) on Top: 174.99,-0.04 166.1,-0.04 166.1,6.31 169.91,6.31 169.88,12.16 174.96,12.16
Board_22-Net-(C5-Pad2) on Bottom: 174.99,-0.04 166.1,-0.04 166.1,5.04 169.91,5.04 169.88,12.16 174.96,12.16
Board_22-Net-(C6-Pad1) on Top: 168.61,10.12 157.18,10.12 157.18,20.28 168.61,20.28
Board_22-Net-(C6-Pad1) on Bottom: 168.61,10.12 157.18,10.12 157.18,20.28 168.61,20.28
Board_22-Net-(R2-Pad1) on Bottom: 174.96,19.01 166.07,19.01 166.07,22.82 169.88,22.82 169.88,27.9 171.15,27.9 171.15,30.44 174.96,30.44
Board_22-Net-(R12-Pad1) on Bottom: 164.03,17.74 165.3,17.74 165.3,12.66 164.03,12.66 164.03,10.12 158.45,10.12 158.45,15.2 161.49,15.2 161.49,20.28 164.03,20.28
Board_23-/+VM on Top: 229.06,24.09 222.71,24.09 222.71,30.44 229.06,30.44
Board_23-/+VM on Top: 221.04,16.47 214.69,16.47 214.69,22.82 221.04,22.82
Board_23-/+VM on Top: 229.06,6.31 222.71,6.31 222.71,12.66 229.06,12.66
Board_23-/+VM on Bottom: 243.13,0.36 185.98,0.36 185.98,39.73 243.13,39.73
Board_23-/+VM on Bottom: 229.06,24.09 222.71,24.09 222.71,30.44 229.06,30.44
Board_23-/+VM on Bottom: 221.04,16.47 214.69,16.47 214.69,22.82 221.04,22.82
Board_23-/+VM on Bottom: 229.06,6.31 222.71,6.31 222.71,12.66 229.06,12.66
Board_23-/U on Top: 243.8,18.14 236.18,18.14 236.18,30.84 243.8,30.84
Board_23-/U on Bottom: 243.8,18.14 236.18,18.14 236.18,30.84 243.8,30.84
Board_23-/V on Top: 243.8,12.86 227.29,12.86 227.29,17.94 243.8,17.94
Board_23-/V on Bottom: 243.8,12.86 227.29,12.86 227.29,17.94 243.8,17.94
Board_23-/W on Top: 243.8,-0.04 236.18,-0.04 236.18,12.66 243.8,12.66
Board_23-/W on Bottom: 243.8,-0.04 236.18,-0.04 236.18,12.66 243.8,12.66
Board_23-Net-(C4-Pad1) on Top: 234.91,18.81 226.02,18.81 226.02,22.62 229.83,22.62 229.83,27.7 231.1,27.7 231.1,30.24 234.91,30.24
Board_23-Net-(C4-Pad1) on Bottom: 234.91,18.81 226.02,18.81 226.02,22.62 229.83,22.62 229.83,27.7 231.1,27.7 231.1,30.24 234.91,30.24
Board_23-Net-(C5-Pad2) on Top: 234.94,-0.04 226.05,-0.04 226.05,6.31 229.86,6.31 229.83,12.16 234.91,12.16
Board_23-Net-(C5-Pad2) on Bottom: 234.94,-0.04 226.05,-0.04 226.05,5.04 229.86,5.04 229.83,12.16 234.91,12.16
Board_23-Net-(C6-Pad1) on Top: 228.56,10.12 217.13,10.12 217.13,20.28 228.56,20.28
Board_23-Net-(C6-Pad1) on Bottom: 228.56,10.12 217.13,10.12 217.13,20.28 228.56,20.28
Board_23-Net-(R2-Pad1) on Bottom: 234.91,19.01 226.02,19.01 226.02,22.82 229.83,22.82 229.83,27.9 231.1,27.9 231.1,30.44 234.91,30.44
Board_23-Net-(R12-Pad1) on Bottom: 223.98,17.74 225.25,17.74 225.25,12.66 223.98,12.66 223.98,10.12 218.4,10.12 218.4,15.2 221.44,15.2 221.44,20.28 223.98,20.28
